# Altium PCB STM32-Nixie-v2.PcbDoc (part 3 of 3)
Units mm, origin at the board's own origin, x right, y up, seen from the top; angles counter-clockwise.
Board outline 339 x 57 mm, 2 copper layers (Top Layer, Bottom Layer); 367 components, 315 nets, 1212 pads, 270 vias.
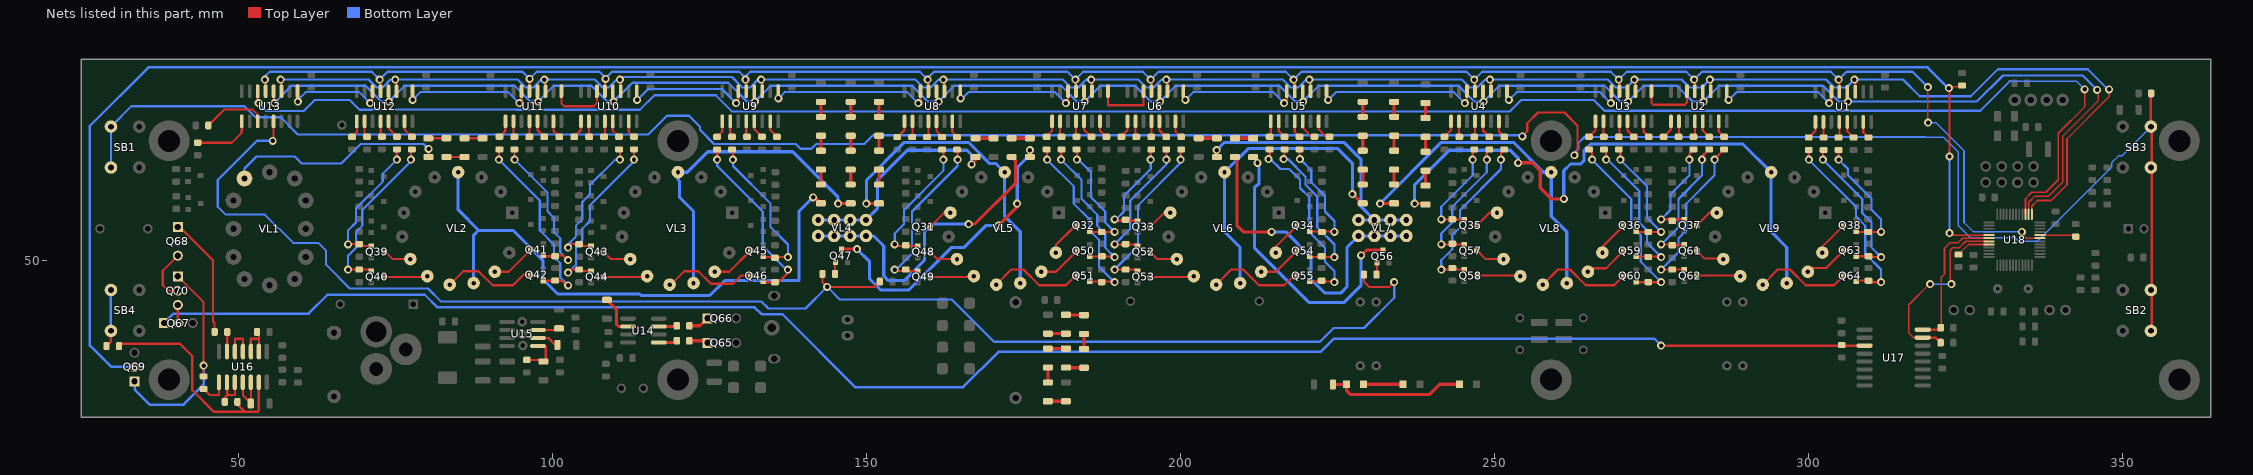
[diagram p3: the nets of this part, all layers, seen from the top]

## Via types
v1: diameter 1.27, hole 0.711, Top Layer to Bottom Layer, 270 vias

## Nets (pads, with @x,y where several pads share a name; then routed paths per layer and width w, separated by ;. In a path a pad name is that pad's centre, name@x,y a point inside that pad or via, vN(x,y) a via of type N, cw(c..) or ccw(c..) an arc to the next point about the centre after c; other vN are vias at no path point) (continued)
NetQ31_3: Q31.3 VL5.7 | length 4.1
  Top Layer w0.35: Q31.3@160.157,55.317 162.396,57.556 VL5.7@163.371,57.556
NetQ32_1: Q32.1 R70.1 R168.1 | length 19.8
  Top Layer w0.35: R70.1@183.362,67.633 183.5,67.495 v1(183.5,66) ; Q32.1@185.56,54.571 185.632,54.5 R168.1@187.452,54.5 v1(189.5,54.5)
  Bottom Layer w0.35: v1(183.5,66) 183.75,66 185.75,64 185.75,60 188,57.75 188,56 v1(189.5,54.5)
NetQ32_3: Q32.3 VL5.14 | length 5.9
  Top Layer w0.35: VL5.14@180.157,51.196 180.157,52.407 183.271,55.521 Q32.3@183.56,55.521
NetQ33_1: Q33.1 R72.1 R173.1 | length 17.4
  Top Layer w0.35: v1(189.5,56.5) 189.733,56.267 Q33.1@193.157,56.267 ; v1(195.25,66) 195.25,67.625 R72.1@195.259,67.633
  Bottom Layer w0.35: v1(189.5,56.5) 189.75,56.5 191,57.75 191,60.25 195.25,64.5 v1(195.25,66)
NetQ33_3: Q33.3 VL6.7 | length 4.1
  Top Layer w0.35: Q33.3@195.157,55.317 197.396,57.556 VL6.7@198.371,57.556
NetQ34_1: Q34.1 R74.1 R178.1 | length 19.8
  Top Layer w0.35: R74.1@218.941,67.633 218.941,66.159 v1(219,66.1) ; Q34.1@220.56,54.571 224.429,54.571 v1(224.5,54.5)
  Bottom Layer w0.35: v1@219,65.75 v1(219,66.1) 220.8,64.3 220.8,62.4 223,60.2 223,57.75 224.5,56.25 v1(224.5,54.5)
NetQ34_3: Q34.3 VL6.14 | length 5.7
  Top Layer w0.35: VL6.14@215.157,51.196 215.157,52.118 Q34.3@218.56,55.521
NetQ35_1: Q35.1 R77.1 R183.1 | length 17
  Top Layer w0.35: v1(241.5,56.5) 241.529,56.471 Q35.1@245.157,56.471 ; v1(246.5,66) 246.5,67.375 R77.1@246.759,67.633
  Bottom Layer w0.35: v1(241.5,56.5) 241.5,58.5 246.5,63.5 v1(246.5,66)
NetQ35_3: Q35.3 VL8.7 | length 4.1
  Top Layer w0.35: Q35.3@247.157,55.521 249.191,57.556 VL8.7@250.371,57.556
NetQ36_1: Q36.1 R79.1 R188.1 | length 19.9
  Top Layer w0.35: R79.1@269.759,67.633 270,67.392 v1(270,66) ; Q36.1@272.56,54.571 272.632,54.5 R188.1@274.452,54.5 v1(276.5,54.5)
  Bottom Layer w0.35: v1(270,66) 274.25,61.75 274.25,56.75 v1(276.5,54.5)
NetQ36_3: Q36.3 VL8.14 | length 5.7
  Top Layer w0.35: VL8.14@267.157,51.196 267.157,52.118 Q36.3@270.56,55.521
NetQ37_1: Q37.1 R81.1 R193.1 | length 16.9
  Top Layer w0.35: v1(276.5,56.5) 280.128,56.5 Q37.1@280.157,56.471 ; v1(281,66) 281,66.978 R81.1@281.655,67.633
  Bottom Layer w0.35: v1(276.5,56.5) 278,58 278,60.5 281,63.5 v1(281,66)
NetQ37_3: Q37.3 VL9.7 | length 4.1
  Top Layer w0.35: Q37.3@282.157,55.521 284.191,57.556 VL9.7@285.371,57.556
NetQ38_1: Q38.1 R83.1 R198.1 | length 19.8
  Top Layer w0.35: R83.1@304.741,67.533 304.75,67.525 v1(304.75,66) ; Q38.1@307.56,54.588 307.648,54.5 R198.1@309.452,54.5 v1(311.5,54.5)
  Bottom Layer w0.35: v1(304.75,66) 306.25,64.5 306.25,63.5 310,59.75 310,58 311.5,56.5 v1(311.5,54.5)
NetQ38_3: Q38.3 VL9.14 | length 5.8
  Top Layer w0.35: VL9.14@302.157,51.196 302.157,52.135 Q38.3@305.56,55.538
NetQ39_1: Q39.1 R60.1 R144.1 | length 22.2
  Top Layer w0.35: v1(67.5,52.5) 67.555,52.555 R144.1@69.265,52.555 69.542,52.278 Q39.1@71.157,52.278 ; R60.1@75.15,67.513 R60.1@75.271,67.633 ; v1(75.25,66) R60.1@75.25,67.513
  Bottom Layer w0.35: v1(67.5,52.5) 67.5,54.75 68.75,56 68.75,58.25 73,62.5 73,63.75 v1(75.25,66)
NetQ39_3: Q39.3 VL2.9 | length 4.7
  Top Layer w0.35: Q39.3@73.157,51.328 73.422,51.328 74.586,50.164 VL2.9@77.409,50.164
NetQ40_1: Q40.1 R85.1 R145.1 | length 27.1
  Top Layer w0.35: v1(67.5,48.5) R145.1@69.265,48.5 70.945,48.5 Q40.1@71.157,48.289 ; R85.1@77.4,67.383 R85.1@77.65,67.633 ; v1(77.5,66) R85.1@77.5,67.383
  Bottom Layer w0.35: v1(67.5,48.5) 67.5,50.75 68.75,52 68.75,54.5 69.75,55.5 69.75,58 77.5,65.75 v1(77.5,66)
NetQ40_3: Q40.3 VL2.10 | length 7
  Top Layer w0.35: Q40.3@73.157,47.339 79.985,47.339 VL2.10@80.098,47.452
NetQ41_1: Q41.1 R62.1 R147.1 | length 25.5
  Top Layer w0.35: R62.1@93.966,67.633 94,67.599 v1(94,66) ; Q41.1@98.56,50.715 98.642,50.633 R147.1@100.452,50.633 100.569,50.75 101.75,50.75 v1(102.5,50)
  Bottom Layer w0.35: v1(94,66) 99.25,60.75 99.25,57.75 100.25,56.75 100.25,54.5 101.25,53.5 101.25,51.25 v1(102.5,50)
NetQ41_3: Q41.3 VL2.13 | length 7.2
  Top Layer w0.35: VL2.13@90.845,48.156 93.051,48.156 Q41.3@96.56,51.665
NetQ42_1: Q42.1 R86.1 R146.1 | length 30.5
  Top Layer w0.35: v1(91.5,66) 91.5,67.547 R86.1@91.587,67.633 ; Q42.1@98.56,46.726 101.524,46.726 102.25,46 v1(102.5,46)
  Bottom Layer w0.35: v1(91.5,66) 98,59.5 98,54.75 100.25,52.5 100.25,50.5 101.25,49.5 101.25,47.25 v1(102.5,46)
NetQ42_3: Q42.3 VL2.11 | length 15.4
  Top Layer w0.35: VL2.11@83.67,46.099 85.821,48.25 88.25,48.25 90.5,46 93.75,46 95.426,47.676 Q42.3@96.56,47.676
NetQ43_1: Q43.1 R64.1 R154.1 | length 23.5
  Top Layer w0.35: v1(102.5,52) 103.055,52.555 R154.1@104.265,52.555 104.542,52.278 Q43.1@106.157,52.278 ; R64.1@110.621,67.633 110.75,67.504 v1(110.75,66)
  Bottom Layer w0.35: v1(102.5,52) 102.5,52.495 103.564,53.559 103.564,53.564 103.75,53.75 103.75,55.5 104.75,56.5 104.75,59.25 106,60.5 106,62 110,66 v1(110.75,66)
NetQ43_3: Q43.3 VL3.9 | length 4.7
  Top Layer w0.35: Q43.3@108.157,51.328 108.172,51.328 109.336,50.164 VL3.9@112.409,50.164
NetQ44_1: Q44.1 R87.1 R155.1 | length 27.9
  Top Layer w0.35: v1(102.5,48) 103,48.5 R155.1@104.265,48.5 104.476,48.289 Q44.1@106.157,48.289 ; v1(113,66) R87.1@113,67.633
  Bottom Layer w0.35: v1(102.5,48) 103.75,49.25 103.75,52.25 104.75,53.25 104.75,55 106,56.25 106,58.75 113,65.75 v1(113,66)
NetQ44_3: Q44.3 VL3.10 | length 7
  Top Layer w0.35: Q44.3@108.157,47.339 114.985,47.339 VL3.10@115.098,47.452
NetQ45_1: Q45.1 R66.1 R157.1 | length 24.8
  Top Layer w0.35: R66.1@128.612,67.633 128.75,67.495 v1(128.75,66) ; Q45.1@133.56,50.582 133.642,50.5 v1(137.5,50.5)
  Bottom Layer w0.35: v1(128.75,66) 128.75,65 134.75,59 134.75,55.25 137.5,52.5 v1(137.5,50.5)
NetQ45_3: Q45.3 VL3.13 | length 7.1
  Top Layer w0.35: VL3.13@125.845,48.156 128.184,48.156 Q45.3@131.56,51.532
NetQ46_1: Q46.1 R88.1 R156.1 | length 29.4
  Top Layer w0.35: R88.1@126.233,67.633 126.25,67.616 v1(126.25,66) ; Q46.1@133.56,46.593 133.653,46.5 136,46.5 137.5,48 v1(137.5,48.5)
  Bottom Layer w0.35: v1(126.25,66) 126.25,65 133.5,57.75 133.5,52.25 137.5,48.25 v1(137.5,48.5)
NetQ46_3: Q46.3 VL3.11 | length 15.1
  Top Layer w0.35: VL3.11@118.67,46.099 118.849,46.099 121,48.25 123.25,48.25 125.25,46.25 128.75,46.25 130.043,47.543 Q46.3@131.56,47.543
NetQ47_1: Q47.1 R99.2 | length 1.9
  Top Layer w0.35: R99.2@145,47.8 145,49.644 Q47.1@145.05,49.694
NetQ47_3: Q47.3 R89.1 | length 49.3
  Top Layer w0.5: Q47.3@146.056,51.75 v1(148.5,51.75) ; v1(171,55.5) 174,58.5 v1(174,59) 174.25,59 v1@174.125,58.875 ; v1(176,67.5) 176.005,67.495 R89.1@176.005,66.418
  Bottom Layer w0.5: v1(148.5,51.75) 150.5,49.75 150.5,47 152.25,45.25 156.75,45.25 163.5,52 165.5,52 169,55.5 v1(171,55.5) ; v1@174,58.75 174,64.75 176,66.75 v1(176,67.5)
NetQ48_1: Q48.1 R69.1 R164.1 | length 22.1
  Top Layer w0.35: v1(154.5,52.5) 154.722,52.278 Q48.1@158.157,52.278 ; R69.1@162.121,67.633 162.25,67.504 v1(162.25,66)
  Bottom Layer w0.35: v1(154.5,52.5) 154.5,54.25 156,55.75 156,58 162.25,64.25 v1(162.25,66)
NetQ48_3: Q48.3 VL5.9 | length 4.7
  Top Layer w0.35: Q48.3@160.157,51.328 161.32,50.164 VL5.9@164.409,50.164
NetQ49_1: Q49.1 R90.1 R165.1 | length 27.2
  Top Layer w0.35: v1(154.5,48.5) 154.711,48.289 Q49.1@158.157,48.289 ; v1(164.5,66) R90.1@164.5,67.633
  Bottom Layer w0.35: v1(154.5,48.5) 154.75,48.5 157.25,51 157.25,57.75 164.5,65 v1(164.5,66)
NetQ49_3: Q49.3 VL5.10 | length 7
  Top Layer w0.35: Q49.3@160.157,47.339 166.985,47.339 VL5.10@167.098,47.452
NetQ50_1: Q50.1 R71.1 R167.1 | length 24.6
  Top Layer w0.35: R71.1@180.983,67.633 181,67.616 v1(181,66) ; Q50.1@185.56,50.582 189.418,50.582 v1(189.5,50.5)
  Bottom Layer w0.35: v1(181,66) 184.25,62.75 184.25,59.75 186.75,57.25 186.75,55.5 188,54.25 188,52 v1(189.5,50.5)
NetQ50_3: Q50.3 VL5.13 | length 7.1
  Top Layer w0.35: VL5.13@177.845,48.156 180.184,48.156 Q50.3@183.56,51.532
NetQ51_1: Q51.1 R91.1 R166.1 | length 29.6
  Top Layer w0.35: R91.1@178.604,67.633 178.75,67.487 v1(178.75,66) ; Q51.1@185.56,46.593 189.407,46.593 v1(189.5,46.5)
  Bottom Layer w0.35: v1(178.75,66) 183,61.75 183,59 185.5,56.5 185.5,54.75 187,53.25 187,49 v1(189.5,46.5)
NetQ51_3: Q51.3 VL5.11 | length 15.6
  Top Layer w0.35: VL5.11@170.67,46.099 173.071,48.5 175,48.5 177.5,46 181.75,46 183.293,47.543 Q51.3@183.56,47.543
NetQ52_1: Q52.1 R73.1 R174.1 | length 22.3
  Top Layer w0.35: v1(189.5,52.5) 192.935,52.5 Q52.1@193.157,52.278 ; R73.1@197.638,67.633 197.75,67.521 v1(197.75,66)
  Bottom Layer w0.35: v1(189.5,52.5) 192,55 192,59.5 197.75,65.25 v1(197.75,66)
NetQ52_3: Q52.3 VL6.9 | length 4.7
  Top Layer w0.35: Q52.3@195.157,51.328 196.32,50.164 VL6.9@199.409,50.164
NetQ53_1: Q53.1 R92.1 R175.1 | length 27.2
  Top Layer w0.35: v1(189.5,48.5) R175.1@191.265,48.5 192.945,48.5 Q53.1@193.157,48.289 ; v1(200,66) 200.017,66.017 R92.1@200.017,67.633
  Bottom Layer w0.35: v1(189.5,48.5) 193.25,52.25 193.25,58.75 200,65.5 v1(200,66)
NetQ53_3: Q53.3 VL6.10 | length 7
  Top Layer w0.35: Q53.3@195.157,47.339 201.985,47.339 VL6.10@202.098,47.452
NetQ54_1: Q54.1 R75.1 R177.1 | length 25.2
  Top Layer w0.35: v1(216.4,66.1) 216.562,66.263 R75.1@216.562,67.633 ; Q54.1@220.56,50.582 220.642,50.5 v1(224.5,50.5)
  Bottom Layer w0.35: v1@216.1,66.1 v1(216.4,66.1) 217.1,66.1 219.9,63.3 219.9,62 221.75,60.15 221.75,55.25 224.5,52.5 v1(224.5,50.5)
NetQ54_3: Q54.3 VL6.13 | length 7.1
  Top Layer w0.35: VL6.13@212.845,48.156 215.184,48.156 Q54.3@218.56,51.532
NetQ55_1: Q55.1 R93.1 R176.1 | length 30.6
  Top Layer w0.35: v1(214,66.1) 214.066,66.1 214.183,66.217 R93.1@214.183,67.633 ; Q55.1@220.56,46.593 224.407,46.593 v1(224.5,46.5)
  Bottom Layer w0.35: v1(214,66.1) 214.3,66.1 215.9,64.5 217.3,64.5 219,62.8 219,61.5 220.5,60 220.5,54.5 223,52 223,49.75 224.5,48.25 v1(224.5,46.5)
NetQ55_3: Q55.3 VL6.11 | length 15.6
  Top Layer w0.35: VL6.11@205.67,46.099 208.071,48.5 210,48.5 212.5,46 216.5,46 218.043,47.543 Q55.3@218.56,47.543
NetQ56_1: Q56.1 R100.2 | length 1.9
  Top Layer w0.35: R100.2@231.2,47.708 231.25,47.758 Q56.1@231.25,49.6
NetQ56_3: Q56.3 R94.1 | length 44.2
  Top Layer w0.5: v1(228.75,50.75) 229.6,51.6 Q56.3@232.2,51.6
  Bottom Layer w0.5: v1(212.25,65.5) 212.5,65.25 212.5,62.25 211.75,61.5 211.75,52 220.5,43.25 226,43.25 228.75,46 v1(228.75,50.75)
NetQ57_1: Q57.1 R78.1 R184.1 | length 22
  Top Layer w0.35: v1(241.5,52.5) 241.518,52.482 Q57.1@245.157,52.482 ; v1(248.75,66) 248.75,67.245 R78.1@249.138,67.633
  Bottom Layer w0.35: v1(241.5,52.5) 241.5,54.25 243.25,56 243.25,58.5 248.75,64 v1(248.75,66)
NetQ57_3: Q57.3 VL8.9 | length 4.8
  Top Layer w0.35: Q57.3@247.157,51.532 247.218,51.532 248.586,50.164 VL8.9@251.409,50.164
NetQ58_1: Q58.1 R95.1 R185.1 | length 26.9
  Top Layer w0.35: v1(241.5,48.5) 241.507,48.493 Q58.1@245.157,48.493 ; v1(251,66) 251,67.116 R95.1@251.517,67.633
  Bottom Layer w0.35: v1(241.5,48.5) 241.5,50 243.25,51.75 243.25,54 244.5,55.25 244.5,58 251,64.5 v1(251,66)
NetQ58_3: Q58.3 VL8.10 | length 7
  Top Layer w0.35: Q58.3@247.157,47.543 254.007,47.543 VL8.10@254.098,47.452
NetQ59_1: Q59.1 R80.1 R187.1 | length 25
  Top Layer w0.35: R80.1@267.379,67.633 267.75,67.263 v1(267.75,66) ; Q59.1@272.56,50.582 276.418,50.582 v1(276.5,50.5)
  Bottom Layer w0.35: v1(267.75,66) 268,66 273,61 273,56 274.25,54.75 274.25,52.75 v1(276.5,50.5)
NetQ59_3: Q59.3 VL8.13 | length 7.1
  Top Layer w0.35: VL8.13@264.845,48.156 265.411,48.722 267.75,48.722 Q59.3@270.56,51.532
NetQ60_1: Q60.1 R96.1 R186.1 | length 29.9
  Top Layer w0.35: R96.1@265,67.633 265.5,67.133 v1(265.5,66) ; Q60.1@272.56,46.55 272.61,46.5 v1(276.5,46.5)
  Bottom Layer w0.35: v1(265.5,66) 271.75,59.75 271.75,55.5 273.25,54 273.25,49.75 v1(276.5,46.5)
NetQ60_3: Q60.3 VL8.11 | length 15.5
  Top Layer w0.35: VL8.11@257.67,46.099 260.071,48.5 262,48.5 264.5,46 269,46 270.5,47.5 Q60.3@270.56,47.5
NetQ61_1: Q61.1 R82.1 R194.1 | length 22
  Top Layer w0.35: v1(276.5,52.5) 278.144,52.5 R194.1@278.265,52.379 280.054,52.379 Q61.1@280.157,52.482 ; v1(283,66) 283,66.487 R82.1@284.146,67.633
  Bottom Layer w0.35: v1(276.5,52.5) 279.25,55.25 279.25,59.75 283,63.5 v1(283,66)
NetQ61_3: Q61.3 VL9.9 | length 4.8
  Top Layer w0.35: Q61.3@282.157,51.532 283.439,50.25 286.324,50.25 VL9.9@286.409,50.164
NetQ62_1: Q62.1 R97.1 R195.1 | length 26.9
  Top Layer w0.35: v1(276.5,48.5) R195.1@278.265,48.5 280.15,48.5 Q62.1@280.157,48.493 ; v1(285,66) 285,66.108 R97.1@286.526,67.633
  Bottom Layer w0.35: v1(276.5,48.5) 279.25,51.25 279.25,53.5 280.5,54.75 280.5,59 285,63.5 v1(285,66)
NetQ62_3: Q62.3 VL9.10 | length 7
  Top Layer w0.35: Q62.3@282.157,47.543 289.007,47.543 VL9.10@289.098,47.452
NetQ63_1: Q63.1 R84.1 R197.1 | length 24.9
  Top Layer w0.35: v1(302.25,66) 302.25,67.421 R84.1@302.362,67.533 ; Q63.1@307.56,50.599 307.582,50.621 R197.1@309.5,50.621 309.621,50.5 v1(311.5,50.5)
  Bottom Layer w0.35: v1(302.25,66) 308.5,59.75 308.5,57.5 310,56 310,52 v1(311.5,50.5)
NetQ63_3: Q63.3 VL9.13 | length 7.1
  Top Layer w0.35: VL9.13@299.845,48.156 300.439,48.75 302.761,48.75 Q63.3@305.56,51.549
NetQ64_1: Q64.1 R98.1 R196.1 | length 29.9
  Top Layer w0.35: R98.1@299.983,67.533 300,67.516 v1(300,66) ; Q64.1@307.56,46.61 307.692,46.741 R196.1@309.5,46.741 309.741,46.5 v1(311.5,46.5)
  Bottom Layer w0.35: v1(300,66) 307.5,58.5 307.5,57 309,55.5 309,51 311.5,48.5 v1(311.5,46.5)
NetQ64_3: Q64.3 VL9.11 | length 15.6
  Top Layer w0.35: VL9.11@292.67,46.099 295.071,48.5 297,48.5 299.5,46 304.001,46 Q64.3@305.56,47.56
NetQ65_1: Q65.1 R103.1 | length 3
  Top Layer w0.5: R103.1@121.817,37.172 124.366,37.172 Q65.1@124.703,36.835
NetQ66_1: Q66.1 R102.2 | length 3.4
  Top Layer w0.5: R102.2@121.817,39.551 123.505,39.551 Q66.1@124.703,40.75
NetQ67_1: Q67.1 R117.1 U17.3 | length 282.5
  Top Layer w0.4: v1@276.295,36.405 v1(276.5,36.405) U17.3@308.875,36.405
  Bottom Layer w0.4: Q67.1@38.22,39.991 39.729,41.5 61.2,41.5 64.2,44.5 79.7,44.5 81.7,42.5 132.2,42.5 133.3,41.4 136.6,41.4 148.2,29.8 165.4,29.8 171,35.4 222.3,35.4 224.4,37.5 275.405,37.5 v1(276.5,36.405)
NetQ67_2: Q67.2 Q70.3 | length 2.9
  Top Layer w0.35: Q70.3@40.391,42.866 40.391,40.1 Q67.2@40.5,39.991
NetQ68_1: Q68.1 R122.1 | length 19.3
  Top Layer w0.35: Q68.1@40.391,55.28 40.72,55.28 46,50 46,40.25 46.25,40 R122.1@46.25,38.58
NetQ68_3: Q68.3 Q70.2 | length 8.5
  Top Layer w0.35: Q70.2@40.391,45.146 38.854,45.146 38,46 38,48.329 Q68.3@40.391,50.72
NetQ69_1: Q69.1 Q70.1 R121.1 | length 35.3
  Top Layer w0.35: Q70.1@40.391,47.426 44.5,43.317 v1(44.5,33.2) 44.5,31.517 R121.1@44.483,31.5
  Bottom Layer w0.4: Q69.1@33.5,30.72 33.5,29.4 35.9,27 41.3,27 44.5,30.2 v1(44.5,33.2)
NetQ69_2: Q69.2 R126.1 U18.41 | length 376.7
  Top Layer w0.25: v1(322.3,77.4) v1@322.4,77.6 ; v1(322.4,54.3) 322.7,54 U18.41@328.7,54 ; v1(322.4,66.5) v1@322.4,77.6 ; R126.1@324.6,77.6 v1@322.4,77.6
  Bottom Layer w0.25: v1(322.4,54.3) v1(322.4,66.5)
  Bottom Layer w0.4: Q69.2@33.5,33 29.8,33 26.4,36.4 26.4,71.4 35.7,80.7 318.9,80.7 v1@322.25,77.35
NetR1_1: R1.1 R8.2 | length 2.9
  Top Layer w0.5: R8.2@167.367,69.418 R1.1@170.246,69.418
NetR2_1: R2.1 R13.2 | length 2.9
  Top Layer w0.5: R2.1@202.9,69.418 R13.2@205.779,69.418
NetR3_1: R3.1 R18.1 | length 2.9
  Top Layer w0.35: R3.1@80.279,69.418 R18.1@83.159,69.418
NetR3_2: R3.2 VL1.1 | length 35.2
  Top Layer w0.35: R3.2@80.279,66.418 80.3,66.439 v1(80.3,67.7)
  Bottom Layer w0.35: VL1.1@50.999,63.002 50.999,64.599 52.9,66.5 59,66.5 60.1,65.4 66.4,65.4 69.5,68.5 79.5,68.5 v1(80.3,67.7) v1@80.3,67.55
NetR4_1: R4.1 VL2.4 VL2.12 | length 93.2
  Top Layer w0.5: v1(141.5,60) 141.797,60 R4.1@142.75,59.047
  Bottom Layer w0.5: VL2.4@85,64 85,58 88.25,54.75 ; VL2.12@87.481,46.349 87.481,53.981 88.25,54.75 ; v1(141.5,60) 139.25,57.75 139.25,46.75 127.45,46.75 125.079,44.379 114.121,44.379 113.9,44.6 100.9,44.6 98.5,47 98.5,50 93.75,54.75 88.25,54.75
NetR4_2: R4.2 R5.2 | length 2.4
  Top Layer w0.5: R4.2@142.75,62.047 R5.2@142.75,64.427
NetR5_1: R5.1 R20.1 | length 2.4
  Top Layer w0.5: R5.1@142.75,67.427 R20.1@142.75,69.806
NetR6_1: R6.1 VL3.4 VL3.12 | length 51.5
  Top Layer w0.5: v1(145.5,59) 147.453,59 R6.1@147.5,59.047
  Bottom Layer w0.5: VL3.12@122.481,46.349 122.481,57.769 120.254,59.996 120.254,62.562 120,62.816 VL3.4@120,64 121.5,64 124.75,67.25 138.25,67.25 145.5,60 v1(145.5,59)
NetR6_2: R6.2 R7.2 | length 2.4
  Top Layer w0.5: R6.2@147.5,62.047 R7.2@147.5,64.427
NetR7_1: R7.1 R22.1 | length 2.4
  Top Layer w0.5: R7.1@147.5,67.427 R22.1@147.5,69.806
NetR8_1: R8.1 VL4.1 VL4.3 VL4.5 VL4.7 | length 34.9
  Top Layer w0.5: v1(166.75,65.25) 167.367,65.867 R8.1@167.367,66.418
  Bottom Layer w0.5: VL4.7@142.317,56.397 VL4.5@144.857,56.397 VL4.3@147.397,56.397 VL4.1@149.937,56.397 151.75,58.21 151.75,62.75 156.5,67.5 166,67.5 166.75,66.75 v1(166.75,65.25)
NetR9_1: R9.1 VL5.4 VL5.12 | length 50.9
  Top Layer w0.5: v1(150,59) 151.953,59 R9.1@152,59.047
  Bottom Layer w0.5: v1(150,59) 150,62.75 156,68.75 166.25,68.75 169.625,65.375 170.625,65.375 VL5.4@172,64 172,57 174.481,54.519 VL5.12@174.481,46.349
NetR9_2: R9.2 R10.2 | length 2.4
  Top Layer w0.5: R9.2@152,62.047 R10.2@152,64.427
NetR10_1: R10.1 R24.1 | length 2.4
  Top Layer w0.5: R10.1@152,67.427 R24.1@152,69.806
NetR11_1: R11.1 VL6.4 VL6.12 | length 48.7
  Top Layer w0.5: v1(227.351,60.5) 227.453,60.5 228.953,59 R11.1@229,59.047
  Bottom Layer w0.5: VL6.12@209.481,46.349 209.481,52.019 207,54.5 VL6.4@207,64 210.75,67.75 225,67.75 227.351,65.399 v1(227.351,60.5)
NetR11_2: R11.2 R12.2 | length 2.4
  Top Layer w0.5: R11.2@229,62.047 R12.2@229,64.427
NetR12_1: R12.1 R26.1 | length 2.4
  Top Layer w0.5: R12.1@229,67.427 R26.1@229,69.806
NetR13_1: R13.1 VL7.1 VL7.3 VL7.5 VL7.7 | length 43.8
  Top Layer w0.5: v1(205.75,67.5) 205.75,66.448 R13.1@205.779,66.418
  Bottom Layer w0.5: v1(205.75,67.5) 207,68.75 226,68.75 228.75,66 228.75,58.504 VL7.5@230.857,56.397 ; VL7.7@228.317,56.397 VL7.5@230.857,56.397 ; VL7.1@235.937,56.397 VL7.3@233.397,56.397 VL7.5@230.857,56.397
NetR14_1: R14.1 VL8.4 VL8.12 | length 54.2
  Top Layer w0.5: v1(231.75,59) 233.953,59 R14.1@234,59.047
  Bottom Layer w0.5: v1(231.75,59) 241.5,68.75 253,68.75 257.75,64 VL8.4@259,64 259,57 261.481,54.519 VL8.12@261.481,46.349
NetR14_2: R14.2 R15.2 | length 2.4
  Top Layer w0.5: R14.2@234,62.047 R15.2@234,64.427
NetR15_1: R15.1 R28.1 | length 2.4
  Top Layer w0.5: R15.1@234,67.427 R28.1@234,69.806
NetR16_1: R16.1 VL9.4 VL9.12 | length 96.7
  Top Layer w0.5: v1(237.25,59) 238.871,59 R16.1@239,58.871 ; v1(253.75,65.5) 256,65.5 257.25,64.25 257.25,61.5 259,59.75 260.5,59.75 v1@260.75,60
  Bottom Layer w0.5: v1(237.25,59) 237.25,62 242.75,67.5 252.5,67.5 253.75,66.25 v1(253.75,65.5) ; v1(261,59.75) 261,64.25 262.063,65.313 263.713,65.313 264.2,65.8 264.2,67.45 265.25,68.5 289.5,68.5 VL9.4@294,64 294,54.5 296.481,52.019 VL9.12@296.481,46.349
NetR16_2: R16.2 R17.2 | length 2.4
  Top Layer w0.5: R16.2@239,61.871 R17.2@239,64.25
NetR17_1: R17.1 R30.1 | length 2.4
  Top Layer w0.5: R17.1@239,67.25 R30.1@239,69.629
NetR18_2: R18.2 R19.2 | length 2.9
  Top Layer w0.35: R18.2@83.159,66.418 R19.2@86.038,66.418
NetR19_1: R19.1 R34.1 | length 2.9
  Top Layer w0.35: R19.1@86.038,69.418 R34.1@88.917,69.418
NetR20_2: R20.2 R21.2 | length 2.4
  Top Layer w0.5: R20.2@142.75,72.806 R21.2@142.75,75.185
NetR22_2: R22.2 R23.2 | length 2.4
  Top Layer w0.5: R22.2@147.5,72.806 R23.2@147.5,75.25
NetR24_2: R24.2 R25.2 | length 2.4
  Top Layer w0.5: R24.2@152,72.806 R25.2@152,75.185
NetR26_2: R26.2 R27.2 | length 2.4
  Top Layer w0.5: R26.2@229,72.806 R27.2@229,75.185
NetR28_2: R28.2 R29.2 | length 2.4
  Top Layer w0.5: R28.2@234,72.806 R29.2@234,75.185
NetR30_2: R30.2 R31.2 | length 2.4
  Top Layer w0.5: R30.2@239,72.629 R31.2@239,75.009
NetR32_1: R32.1 U13.1 | length 9.5
  Top Layer w0.35: R32.1@43.554,68.706 48.956,68.706 50.555,70.305 U13.1@50.555,72.1
NetR33_2: R33.2 U13.3 | length 10.3
  Top Layer w0.35: R33.2@45.25,71.442 47.808,74 52.25,74 53.095,73.155 U13.3@53.095,72.1
NetR35_2: R35.2 U12.1 | length 2.8
  Top Layer w0.35: R35.2@68.133,69.633 68.9,70.4 U12.1@68.9,72.1
NetR36_2: R36.2 U12.2 | length 3.1
  Top Layer w0.35: U12.2@70.237,72.438 70.1,72.3 70.1,70.145 R36.2@70.612,69.633
NetR37_2: R37.2 U11.7 | length 2.9
  Top Layer w0.35: U11.7@100.175,72.1 100.175,70.562 R37.2@101.104,69.633
NetR38_2: R38.2 U11.5 | length 2.9
  Top Layer w0.35: U11.5@97.635,72.1 97.635,70.723 R38.2@98.724,69.633
NetR39_2: R39.2 U10.1 | length 2.9
  Top Layer w0.35: R39.2@103.483,69.633 104.555,70.705 U10.1@104.555,72.1
NetR40_2: R40.2 U10.2 | length 2.5
  Top Layer w0.35: U10.2@105.825,72.1 105.825,69.67 R40.2@105.862,69.633
NetR41_2: R41.2 U9.7 | length 2.9
  Top Layer w0.35: U9.7@134.675,72.1 134.675,70.708 R41.2@135.75,69.633
NetR42_2: R42.2 U9.5 | length 3
  Top Layer w0.35: U9.5@132.135,72.1 132.135,70.869 R42.2@133.371,69.633
NetR43_2: R43.2 U8.1 | length 2.9
  Top Layer w0.35: R43.2@154.983,69.633 156.055,70.705 U8.1@156.055,72.1
NetR44_2: R44.2 U8.2 | length 2.5
  Top Layer w0.35: U8.2@157.325,72.1 157.325,69.67 R44.2@157.362,69.633
NetR45_2: R45.2 U7.7 | length 2.9
  Top Layer w0.35: U7.7@187.175,72.1 187.175,70.579 R45.2@188.121,69.633
NetR46_2: R46.2 U7.5 | length 2.9
  Top Layer w0.35: U7.5@184.635,72.1 184.635,70.74 R46.2@185.741,69.633
NetR47_2: R47.2 U6.1 | length 2.9
  Top Layer w0.35: R47.2@190.5,69.633 191.555,70.688 U6.1@191.555,72.1
NetR48_2: R48.2 U6.2 | length 2.5
  Top Layer w0.35: U6.2@192.825,72.1 192.825,69.688 R48.2@192.879,69.633
NetR49_2: R49.2 U5.7 | length 3.5
  Top Layer w0.35: U5.7@221.975,72.1 221.975,70.825 223.167,69.633 R49.2@223.7,69.633
NetR50_2: R50.2 U5.5 | length 3.5
  Top Layer w0.35: U5.5@219.435,72.1 219.435,71.065 220.867,69.633 R50.2@221.321,69.633
NetR51_2: R51.2 U4.1 | length 2.9
  Top Layer w0.35: R51.2@242,69.633 243.055,70.688 U4.1@243.055,72.1
NetR52_2: R52.2 U4.2 | length 2.5
  Top Layer w0.35: U4.2@244.325,72.1 244.325,69.688 R52.2@244.379,69.633
NetR53_2: R53.2 U3.7 | length 2.8
  Top Layer w0.35: U3.7@273.675,72.1 273.675,70.475 R53.2@274.517,69.633
NetR54_2: R54.2 U3.5 | length 2.9
  Top Layer w0.35: U3.5@271.135,72.1 271.135,70.636 R54.2@272.138,69.633
NetR55_2: R55.2 U2.1 | length 2.9
  Top Layer w0.35: R55.2@276.896,69.633 278.055,70.792 U2.1@278.055,72.1
NetR56_2: R56.2 U2.2 | length 2.5
  Top Layer w0.35: R56.2@279.276,69.633 279.325,69.683 U2.2@279.325,72.1
NetR57_2: R57.2 U1.7 | length 2.8
  Top Layer w0.35: U1.7@308.675,72 308.675,70.358 R57.2@309.5,69.533
NetR58_2: R58.2 U1.5 | length 2.9
  Top Layer w0.35: U1.5@306.135,72 306.135,70.519 R58.2@307.121,69.533
NetR59_2: R59.2 U12.4 | length 2.5
  Top Layer w0.35: U12.4@72.7,72.1 72.7,69.825 R59.2@72.891,69.633
NetR60_2: R60.2 U12.5 | length 3
  Top Layer w0.35: U12.5@74,72.1 74,70.904 R60.2@75.271,69.633
NetR61_2: R61.2 U11.4 | length 2.5
  Top Layer w0.35: R61.2@96.345,69.633 96.365,69.653 U11.4@96.365,72.1
NetR62_2: R62.2 U11.2 | length 2.5
  Top Layer w0.35: U11.2@93.825,72.1 93.825,69.774 R62.2@93.966,69.633
NetR63_2: R63.2 U10.4 | length 2.5
  Top Layer w0.35: R63.2@108.241,69.633 108.365,69.757 U10.4@108.365,72.1
NetR64_2: R64.2 U10.5 | length 2.9
  Top Layer w0.35: U10.5@109.635,72.1 109.635,70.619 R64.2@110.621,69.633
NetR65_2: R65.2 U9.4 | length 2.5
  Top Layer w0.35: U9.4@130.865,72.1 130.865,69.76 R65.2@130.991,69.633
NetR66_2: R66.2 U9.2 | length 2.6
  Top Layer w0.35: U9.2@128.325,72.1 128.325,69.92 R66.2@128.612,69.633
NetR67_1: R67.1 R89.2 | length 2.9
  Top Layer w0.5: R67.1@173.125,69.418 R89.2@176.005,69.418
NetR67_2: R67.2 VL4.2 VL4.4 VL4.6 VL4.8 | length 50.6
  Top Layer w0.5: v1(166.25,55.75) 167.25,55.75 173.75,62.25 173.75,65.794 R67.2@173.125,66.418
  Bottom Layer w0.5: VL4.8@142.317,53.857 VL4.6@144.857,53.857 VL4.4@147.397,53.857 VL4.2@149.937,53.857 151.143,53.857 152.75,52.25 152.75,47.5 153.5,46.75 156,46.75 159.25,50 159.25,54.5 160.5,55.75 v1(166.25,55.75)
NetR68_2: R68.2 U8.4 | length 2.5
  Top Layer w0.35: R68.2@159.741,69.633 159.865,69.757 U8.4@159.865,72.1
NetR69_2: R69.2 U8.5 | length 2.9
  Top Layer w0.35: U8.5@161.135,72.1 161.135,70.619 R69.2@162.121,69.633
NetR70_2: R70.2 U7.4 | length 2.5
  Top Layer w0.35: R70.2@183.362,69.633 183.365,69.636 U7.4@183.365,72.1
NetR71_2: R71.2 U7.2 | length 2.5
  Top Layer w0.35: U7.2@180.825,72.1 180.825,69.791 R71.2@180.983,69.633
NetR72_2: R72.2 U6.4 | length 2.5
  Top Layer w0.35: R72.2@195.259,69.633 195.365,69.74 U6.4@195.365,72.1
NetR73_2: R73.2 U6.5 | length 2.9
  Top Layer w0.35: U6.5@196.635,72.1 196.635,70.636 R73.2@197.638,69.633
NetR74_2: R74.2 U5.4 | length 2.8
  Top Layer w0.35: U5.4@218.165,72.1 218.165,70.41 R74.2@218.941,69.633
NetR75_2: R75.2 U5.2 | length 2.9
  Top Layer w0.35: U5.2@215.625,72.1 215.625,70.57 R75.2@216.562,69.633
NetR76_1: R76.1 R94.2 | length 2.9
  Top Layer w0.5: R76.1@208.674,69.418 R94.2@211.554,69.418
NetR76_2: R76.2 VL7.2 VL7.4 VL7.6 VL7.8 | length 52
  Top Layer w0.5: R76.2@208.674,66.418 208.674,66.326 209,66 209,55.5 210,54.5 v1(214.5,54.5)
  Bottom Layer w0.5: v1(214.5,54.5) 216.75,54.5 220.75,50.5 220.75,47 223,44.75 225.5,44.75 226.5,45.75 226.5,52.04 VL7.8@228.317,53.857 VL7.6@230.857,53.857 VL7.4@233.397,53.857 VL7.2@235.937,53.857
NetR77_2: R77.2 U4.4 | length 2.5
  Top Layer w0.35: R77.2@246.759,69.633 246.865,69.74 U4.4@246.865,72.1
NetR78_2: R78.2 U4.5 | length 2.9
  Top Layer w0.35: U4.5@248.135,72.1 248.135,70.636 R78.2@249.138,69.633
NetR79_2: R79.2 U3.4 | length 2.5
  Top Layer w0.35: R79.2@269.759,69.633 269.865,69.74 U3.4@269.865,72.1
NetR80_2: R80.2 U3.2 | length 2.5
  Top Layer w0.35: U3.2@267.325,72.1 267.325,69.688 R80.2@267.379,69.633
NetR81_2: R81.2 U2.4 | length 2.6
  Top Layer w0.35: R81.2@281.655,69.633 281.865,69.843 U2.4@281.865,72.1
NetR82_2: R82.2 U2.5 | length 2.9
  Top Layer w0.35: U2.5@283.135,72.1 283.135,70.645 R82.2@284.146,69.633
NetR83_2: R83.2 U1.4 | length 2.5
  Top Layer w0.35: R83.2@304.741,69.533 304.865,69.657 U1.4@304.865,72
NetR84_2: R84.2 U1.2 | length 2.4
  Top Layer w0.35: R84.2@302.325,69.57 U1.2@302.325,72
NetR85_2: R85.2 U12.7 | length 2.9
  Top Layer w0.35: U12.7@76.5,72.1 76.5,70.783 R85.2@77.65,69.633
NetR86_2: R86.2 U11.1 | length 2.9
  Top Layer w0.35: R86.2@91.587,69.633 92.5,70.547 92.5,72.045 U11.1@92.555,72.1
NetR87_2: R87.2 U10.7 | length 2.8
  Top Layer w0.35: U10.7@112.175,72.1 112.175,70.458 R87.2@113,69.633
NetR88_2: R88.2 U9.1 | length 2.8
  Top Layer w0.35: R88.2@126.233,69.633 127.055,70.455 U9.1@127.055,72.1
NetR90_2: R90.2 U8.7 | length 2.8
  Top Layer w0.35: U8.7@163.675,72.1 163.675,70.458 R90.2@164.5,69.633
NetR91_2: R91.2 U7.1 | length 2.9
  Top Layer w0.35: R91.2@178.604,69.633 179.555,70.585 U7.1@179.555,72.1
NetR92_2: R92.2 U6.7 | length 2.8
  Top Layer w0.35: U6.7@199.175,72.1 199.175,70.475 R92.2@200.017,69.633
NetR93_2: R93.2 U5.1 | length 2.5
  Top Layer w0.35: R93.2@214.183,69.633 214.355,69.805 U5.1@214.355,72.1
NetR95_2: R95.2 U4.7 | length 2.8
  Top Layer w0.35: U4.7@250.675,72.1 250.675,70.475 R95.2@251.517,69.633
NetR96_2: R96.2 U3.1 | length 2.9
  Top Layer w0.35: R96.2@265,69.633 266.055,70.688 U3.1@266.055,72.1
NetR97_2: R97.2 U2.7 | length 2.8
  Top Layer w0.35: U2.7@285.675,72.1 285.675,70.484 R97.2@286.526,69.633
NetR98_2: R98.2 U1.1 | length 2.9
  Top Layer w0.35: R98.2@299.983,69.533 301.055,70.605 U1.1@301.055,72
NetR99_1: R99.1 R100.1 R140.1 U13.5 | length 242.2
  Top Layer w0.35: v1(55.5,69) 55.635,69.135 U13.5@55.635,72.1 ; R99.1@143,47.802 143,46.5 v1(143.75,45.75) 151.286,45.75 R140.1@152.136,46.6 ; R100.1@229.2,47.708 229.2,46.55 230,45.75 233.25,45.75 v1(234,46.5)
  Bottom Layer w0.35: v1(55.5,69) 53,69 46.75,62.75 46.75,58.5 48,57.25 54.25,57.25 58.75,52.75 62.75,52.75 64,51.5 64,49.25 67.75,45.5 80.2,45.5 82.3,43.4 133.3,43.4 134.4,42.3 140.3,42.3 v1(143.75,45.75) 145.775,43.725 163.575,43.725 170.3,37 222.2,37 224.4,39.2 229.2,39.2 234,44 v1(234,46.5)
NetR101_2: R101.2 U14.2 | length 6.5
  Top Layer w0.5: R101.2@108.683,43.681 110.2,42.164 110.2,39.8 110.564,39.436 U14.2@112.05,39.436
NetR102_1: R102.1 U14.7 | length 2.9
  Top Layer w0.5: U14.7@116.95,39.436 119.702,39.436 R102.1@119.817,39.551
NetR103_2: R103.2 U14.5 | length 3
  Top Layer w0.5: U14.5@116.95,36.896 119.541,36.896 R103.2@119.817,37.172
NetR104_1: R104.1 R105.2 | length 2.9
  Top Layer w0.5: R104.1@178.88,38.301 R105.2@181.76,38.301
NetR105_1: R105.1 R106.2 | length 2.9
  Top Layer w0.5: R105.1@181.76,41.301 184.588,41.301 R106.2@184.639,41.25
NetR106_1: R106.1 R107.2 | length 2.4
  Top Layer w0.5: R107.2@184.639,35.871 R106.1@184.639,38.25
NetR107_1: R107.1 R108.2 | length 2.9
  Top Layer w0.5: R108.2@181.76,32.922 181.811,32.871 R107.1@184.639,32.871
NetR108_1: R108.1 R109.2 | length 2.9
  Top Layer w0.5: R109.2@178.88,35.922 R108.1@181.76,35.922
NetR109_1: R109.1 R110.2 | length 2.4
  Top Layer w0.5: R110.2@178.88,30.543 R109.1@178.88,32.922
NetR110_1: R110.1 R111.2 | length 2.9
  Top Layer w0.5: R110.1@178.88,27.543 R111.2@181.76,27.543
NetR112_2: R112.2 U15.7 | length 3.5
  Top Layer w0.35: U15.7@97.7,38.885 100.81,38.885 R112.2@101.067,39.142
NetR113_2: R113.2 U15.6 | length 3.6
  Top Layer w0.35: U15.6@97.7,37.615 99.385,37.615 100.487,36.513 R113.2@100.817,36.513
NetR114_2: R114.2 R115.2 U15.5 | length 6.6
  Top Layer w0.35: R114.2@95.942,34.133 98.321,34.133 R115.2@98.571,33.883 98.955,34.267 98.955,36.345 U15.5@97.7,36.345
NetR116_1: R116.1 VD8.1 VD10.1 | length 22.1
  Top Layer w0.5: R116.1@224.25,30.222 226.372,30.222 VD8.1@226.4,30.25 226.4,29.3 227.1,28.6 239.6,28.6 241.25,30.25 VD10.1@244.4,30.25
NetR118_1: R118.1 U16.9 U16.10 | length 7
  Top Layer w0.35: U16.9@48.21,30.564 48.27,30.504 48.27,28.52 49.48,28.52 U16.10@49.48,30.564
  Top Layer w0.4: R118.1@47.871,27 47.871,28.121 48.27,28.52
NetR118_2: R118.2 R119.1 U16.13 | length 36.2
  Top Layer w0.4: R119.1@31.033,36.332 31.402,36.7 40.708,36.7 42.704,34.704 42.704,29.296 46.1,25.9 50.971,25.9 ; R118.2@49.871,27 50.971,25.9 ; U16.13@53.29,30.564 53.29,26.09 53.1,25.9 50.971,25.9
NetR119_2: R119.2 SB4.1 | length 9.2
  Top Layer w0.4: R119.2@29.033,36.332 29.75,37.048 SB4.1@29.75,38.75
  Bottom Layer w0.4: SB4.1@29.75,38.75 SB4.1@29.75,45.25
NetR120_1: R120.1 U16.11 U16.12 | length 7.3
  Top Layer w0.35: U16.11@50.75,30.564 50.75,28.5 52,27.25 R120.1@52,27.197 52.02,27.217 U16.12@52.02,30.564
NetR121_2: R121.2 U16.8 | length 4.8
  Top Layer w0.35: R121.2@44.483,29.5 45.423,28.56 46.94,28.56 U16.8@46.94,30.564
NetR122_2: R122.2 U16.6 | length 3.1
  Top Layer w0.35: U16.6@48.21,35.464 48.25,35.504 R122.2@48.25,38.58
NetR123_1: R123.1 U16.2 U16.3 | length 6.6
  Top Layer w0.35: U16.3@52.02,35.464 52,35.484 52,37.5 53.29,37.5 ; R123.1@53,38.58 53.29,38.29 53.29,37.5 ; U16.2@53.29,35.464 53.29,37.5
NetR124_1: R124.1 U17.15 U18.43 | length 30.7
  Top Layer w0.25: U17.15@318.125,37.675 316.625,37.675 315.9,38.4 315.9,42.9 319.2,46.2 v1(319.3,46.2) ; v1@322.5,46.1 322.5,51.6 322.9,52 324,52 325,53 U18.43@328.7,53
  Top Layer w0.4: U17.15@318.125,37.675 320.187,37.675 R124.1@320.992,36.871
  Bottom Layer w0.25: v1(319.3,46.2) v1(322.7,46.2)
NetR125_1: R125.1 U17.16 U18.42 | length 23.7
  Top Layer w0.25: R125.1@321,39.25 321.1,39.35 321.1,47.3 321.6,47.8 321.6,51.9 322.5,52.8 323.8,52.8 324.5,53.5 U18.42@328.7,53.5
  Top Layer w0.4: U17.16@318.125,38.945 320.695,38.945 R125.1@321,39.25
NetR127_1: R127.1 U18.44 | length 5.5
  Top Layer w0.25: R127.1@323.829,50.9 325.429,52.5 U18.44@328.7,52.5
NetR133_1: R133.1 U18.20 | length 5.8
  Top Layer w0.25: U18.20@336.8,54 342.25,54 R133.1@342.5,53.75
NetR134_2: R134.2 SB1.1 SB2.1 SB3.1 | length 409.3
  Top Layer w0.35: v1(254.4,69.7) 255.2,70.5 255.2,71.8 256.9,73.5 261.1,73.5 263.186,71.414 263.186,67.186 v1(262.7,66.7)
  Top Layer w0.4: SB2.1@354.463,38.75 354.565,38.75 354.565,71.148 SB3.1@354.463,71.25 R134.2@354.463,76.51
  Bottom Layer w0.25: 318.5,69.6 321.4,69.6 323.8,67.2 323.8,55.5 325.7,53.6 332.8,53.6 333.4,53 336.4,53 348.2,64.8 348.2,65.5 349.3,66.6 349.813,66.6 SB3.1@354.463,71.25
  Bottom Layer w0.35: SB1.1@29.75,64.75 SB1.1@29.75,71.25 33,74.5 51,74.5 52.75,72.75 56.75,72.75 59.5,70 115.25,70 118.25,73 121.75,73 123.5,71.25 123.5,70.75 125.75,68.5 138.75,68.5 139.5,67.75 141.25,67.75 142,68.5 149.65,68.5 151.05,69.9 254.2,69.9 v1(254.4,69.7) ; v1(262.7,66.7) 262.7,67.1 263.3,67.7 263.3,68.6 264.3,69.6 318.5,69.6
NetU1_11: U1.11 U2.11 U3.11 U4.11 U5.11 U6.11 U7.11 U8.11 U9.11 U10.11 U11.11 U12.11 U13.11 U18.25 | length 359.1
  Top Layer w0.25: U18.25@335.5,57.3 335.5,58.6 336.4,59.5 338.6,59.5 341.1,62 341.1,69.3 347.8,76 v1(347.8,77.2)
  Top Layer w0.35: U13.11@56.905,76.9 v1@56.905,78.595 ; v1(75,78.75) 75.205,78.545 U12.11@75.205,76.9 ; v1(98.75,78.75) 98.905,78.595 U11.11@98.905,76.9 ; v1(110.75,78.75) 110.905,78.595 U10.11@110.905,76.9 ; v1(133.25,78.75) 133.405,78.595 U9.11@133.405,76.9 ; v1(162.25,78.75) 162.405,78.595 U8.11@162.405,76.9 ; v1(185.75,78.75) 185.905,78.595 U7.11@185.905,76.9 ; v1(197.75,78.75) 197.905,78.595 U6.11@197.905,76.9 ; v1(220.5,78.75) 220.705,78.545 U5.11@220.705,76.9 ; v1(249.25,78.75) 249.405,78.595 U4.11@249.405,76.9 ; v1(272.25,78.75) 272.405,78.595 U3.11@272.405,76.9 ; v1(284.25,78.75) 284.405,78.595 U2.11@284.405,76.9 ; v1(307.25,78.75) 307.405,78.595 U1.11@307.405,76.8
  Bottom Layer w0.35: v1(56.75,78.75) 70.75,78.75 72,77.5 73,77.5 74.25,78.75 v1(75,78.75) 94.5,78.75 95.75,77.5 97,77.5 98.25,78.75 v1(98.75,78.75) 106.75,78.75 108,77.5 109,77.5 110.25,78.75 v1(110.75,78.75) 111.15,79.15 128.6,79.15 130.25,77.5 131.5,77.5 132.75,78.75 v1(133.25,78.75) 157.75,78.75 159,77.5 160.25,77.5 161.5,78.75 181.25,78.75 182.5,77.5 183.75,77.5 185,78.75 v1(185.75,78.75) 193.25,78.75 194.5,77.5 195.75,77.5 197,78.75 v1(197.75,78.75) 216.25,78.75 217.5,77.5 218.75,77.5 220,78.75 v1(220.5,78.75) 244.75,78.75 246,77.5 247.25,77.5 248.5,78.75 v1(249.25,78.75) 268,78.75 269.25,77.5 271,77.5 v1(272.25,78.75) 279.75,78.75 281,77.5 283,77.5 v1(284.25,78.75) 302.75,78.75 304,77.5 306,77.5 v1(307.25,78.75) 315,78.75 317.65,76.1 325.8,76.1 330.1,80.4 344.4,80.4 347.6,77.2 v1(347.8,77.2)
NetU1_12: U1.12 U2.12 U3.12 U4.12 U5.12 U6.12 U7.12 U8.12 U9.12 U10.12 U11.12 U12.12 U13.12 U18.26 | length 345.1
  Top Layer w0.25: U18.26@335,57.3 335,59.2 336,60.2 338.2,60.2 340.4,62.4 340.4,69.7 346.1,75.4 346.1,76.4
  Top Layer w0.35: U13.12@55.635,76.9 55.635,75.115 v1(55.75,75)
  Bottom Layer w0.35: v1(55.75,75) 58.5,77.75 70.25,77.75 72.75,75.25 v1(74,75.25) 76.5,77.75 94,77.75 96.5,75.25 v1(97.75,75.25) 100.25,77.75 106.25,77.75 108.75,75.25 v1(109.75,75.25) 112.75,78.25 128,78.25 131,75.25 v1(132.25,75.25) 134.75,77.75 157.25,77.75 159.75,75.25 v1(161.5,75.25) 164,77.75 181,77.75 183.5,75.25 v1(184.75,75.25) 187.25,77.75 192.75,77.75 195.25,75.25 v1(196.75,75.25) 199.25,77.75 215.75,77.75 218.25,75.25 v1(219.5,75.25) 222,77.75 244.25,77.75 246.75,75.25 v1(248.25,75.25) 250.75,77.75 267.5,77.75 270,75.25 v1(271.25,75.25) 273.75,77.75 279,77.75 281.5,75.25 v1(283.25,75.25) 285.75,77.75 302.25,77.75 304.75,75.25 v1(306.25,75.25) 326.75,75.25 330.9,79.4 343.6,79.4 v1(345.9,77.1)
NetU1_13: U1.13 U2.13 U3.13 U4.13 U5.13 U6.13 U7.13 U8.13 U9.13 U10.13 U11.13 U12.13 U13.13 U18.19 | length 341.9
  Top Layer w0.25: v1(318.95,77.55) 318.95,71.95 v1(319,71.9) ; v1(333.9,54.5) 333.9,54.2 334.6,53.5 U18.19@336.8,53.5
  Top Layer w0.35: U13.13@54.365,76.9 v1@54.365,78.635 ; v1(72.5,78.75) 72.665,78.585 U12.13@72.665,76.9 ; U11.13@96.365,76.9 96.365,78.865 v1(96.375,78.875) ; U10.13@108.365,76.9 108.365,78.74 v1(108.5,78.875) ; v1(130.75,78.75) 130.865,78.635 U9.13@130.865,76.9 ; v1(159.75,78.75) 159.865,78.635 U8.13@159.865,76.9 ; v1(183.25,78.75) 183.365,78.635 U7.13@183.365,76.9 ; v1(195.25,78.75) 195.365,78.635 U6.13@195.365,76.9 ; v1(218,78.75) 218.165,78.585 U5.13@218.165,76.9 ; v1(246.75,78.75) 246.865,78.635 U4.13@246.865,76.9 ; v1(269.75,78.75) 269.865,78.635 U3.13@269.865,76.9 ; v1(281.75,78.75) 281.865,78.635 U2.13@281.865,76.9 ; v1(304.75,78.75) 304.865,78.635 U1.13@304.865,76.8
  Bottom Layer w0.25: v1(319,71.9) 320.2,71.9 324.7,67.4 324.7,56 326.2,54.5 v1(333.9,54.5)
  Bottom Layer w0.35: v1(54.25,78.75) 54.25,79.25 55,80 71.25,80 v1(72.5,78.75) 73.75,80 95.25,80 v1(96.375,78.875) 97.5,80 107.5,80 v1@108.5,79 ; v1(108.5,78.875) v1@108.5,79 ; v1(130.75,78.75) v1@130.75,79 ; v1(318.95,77.55) 316.5,80 306,80 v1(304.75,78.75) 303.5,80 283,80 v1(281.75,78.75) 280.5,80 271,80 v1(269.75,78.75) 268.5,80 248,80 v1(246.75,78.75) 245.5,80 219.25,80 v1(218,78.75) 216.75,80 196.5,80 v1(195.25,78.75) 194,80 184.5,80 v1(183.25,78.75) 182,80 160.75,80 159.75,79 v1(159.75,78.75) 158.5,80 131.5,80 130.75,79.25 v1@130.75,79 ; v1@108.5,79 109.5,80 129.75,80 v1@130.75,79
NetU1_14: U1.14 U2.9 | length 20.7
  Top Layer w0.35: U2.9@286.945,76.9 286.945,75.805 v1(287.25,75.5) ; v1(303.25,75) 303.595,75.345 U1.14@303.595,76.8
  Bottom Layer w0.35: v1(287.25,75.5) 288.5,76.75 301.5,76.75 v1(303.25,75)
NetU2_14: U2.14 U3.9 | length 9.6
  Top Layer w0.35: U3.9@274.945,76.9 274.945,75.055 275.25,74.75 280.25,74.75 280.595,75.095 U2.14@280.595,76.9
NetU3_14: U3.14 U4.9 | length 20.9
  Top Layer w0.35: U4.9@251.945,76.9 251.945,75.805 v1(252.25,75.5) ; v1@268.595,75 U3.14@268.595,76.9
  Bottom Layer w0.35: v1(252.25,75.5) 253.5,76.75 266.75,76.75 v1(268.5,75)
NetU4_14: U4.14 U5.9 | length 25
  Top Layer w0.35: v1(245.25,75) 245.595,75.345 U4.14@245.595,76.9
  Bottom Layer w0.35: v1(223.5,75.5) 224.75,76.75 243.5,76.75 v1(245.25,75)
NetU5_14: U5.14 U6.9 | length 20.6
  Top Layer w0.35: U6.9@200.445,76.9 200.445,75.805 v1(200.75,75.5) ; v1(216.5,75) 216.895,75.395 U5.14@216.895,76.9
  Bottom Layer w0.35: v1(200.75,75.5) 202,76.75 214.75,76.75 v1(216.5,75)
NetU6_14: U6.14 U7.9 | length 10.1
  Top Layer w0.35: U7.9@188.445,76.9 188.445,74.655 194.095,74.655 U6.14@194.095,76.9
NetU7_14: U7.14 U8.9 | length 21.1
  Top Layer w0.35: U8.9@164.945,76.9 165,76.845 v1(165,75.75) ; v1(181.75,75) 182.095,75.345 U7.14@182.095,76.9
  Bottom Layer w0.35: v1(165,75.75) 165.25,75.75 166.25,76.75 180,76.75 v1(181.75,75)
NetU8_14: U8.14 U9.9 | length 26.6
  Top Layer w0.35: U9.9@135.945,76.9 135.945,75.805 v1(136,75.75) ; v1(158.25,75) 158.595,75.345 U8.14@158.595,76.9
  Bottom Layer w0.35: v1(136,75.75) 137,76.75 156.5,76.75 v1(158.25,75)
NetU9_14: U9.14 U10.9 | length 20.9
  Top Layer w0.35: U10.9@113.445,76.9 113.5,76.845 v1(113.5,75.5) ; v1(129.25,75) 129.595,75.345 U9.14@129.595,76.9
  Bottom Layer w0.35: v1(113.5,75.5) 115.25,77.25 127,77.25 v1(129.25,75)
NetU10_14: U10.14 U11.9 | length 9.9
  Top Layer w0.35: U11.9@101.445,76.9 101.445,74.945 101.89,74.5 106.595,74.5 107.095,75 U10.14@107.095,76.9
NetU11_14: U11.14 U12.9 | length 21.7
  Top Layer w0.35: U12.9@77.745,76.9 77.745,75.505 v1(77.75,75.5) ; v1(94.75,75) 95.095,75.345 U11.14@95.095,76.9
  Bottom Layer w0.35: v1(77.75,75.5) 79,76.75 93,76.75 v1(94.75,75)
NetU12_14: U12.14 U13.9 | length 16.7
  Top Layer w0.35: U13.9@59.445,76.9 59.445,75.305 v1(59.5,75.25) ; v1(71,75) 71.395,75.395 U12.14@71.395,76.9
  Bottom Layer w0.35: v1(59.5,75.25) 59.5,75.5 60.75,76.75 69.25,76.75 v1(71,75)
NetU13_14: U13.14 U18.27 | length 326
  Top Layer w0.25: U18.27@334.5,57.3 334.5,59.8 335.5,60.8 337.7,60.8 339.7,62.8 339.7,70.2 343.9,74.4 v1@343.9,77.6
  Top Layer w0.35: U13.14@53.095,76.9 53.095,75.155 v1(53.25,75)
  Bottom Layer w0.25: 332,78.5 342.6,78.5 v1(343.9,77.2)
  Bottom Layer w0.35: v1(53.25,75) 54.5,73.75 60.45,73.75 62.2,75.5 67.75,75.5 69.314,73.936 71.441,73.936 71.505,74 94.245,74 94.309,73.936 113.936,73.936 116.25,76.25 126,76.25 128.564,73.686 252.436,73.686 254.25,75.5 265.75,75.5 267.5,73.75 267.55,73.8 327.3,73.8 332,78.5
NetU16_4: U16.4 U16.5 | length 5.3
  Top Layer w0.35: U16.5@49.48,35.464 49.48,37.48 49.5,37.5 50.75,37.5 U16.4@50.75,35.464
NetVD8_2: VD8.2 VD9.1 | length 6.3
  Top Layer w0.5: VD8.2@229.1,30.25 VD9.1@235.4,30.25
pads on no net: C27.5 C27.6 C27.7 C27.8 C29.5 C29.6 C29.7 C29.8 U1.3 U1.6 U1.9 U1.15 U2.3 U2.6 U2.15 U3.3 U3.6 U3.15 U4.3 U4.6 U4.15 U5.3 U5.6 U5.15 U6.3 U6.6 U6.15 U7.3 U7.6 U7.15 U8.3 U8.6 U8.15 U9.3 U9.6 U9.15 U10.3 U10.6 U10.15 U11.3 U11.6 U11.15 U12.3 U12.6 U12.15 U13.2 U13.4 U13.6 U13.7 U13.15 U17.1 U17.4 U18.2 U18.3 U18.4 U18.13 U18.14 U18.16 U18.17 U18.18 U18.21 U18.22 U18.28 U18.29 U18.32 U18.33 U18.38 U18.39 U18.40 U18.45 U18.46 VL1.2 VL1.3 VL1.4 VL1.5 VL1.6 VL1.7 VL1.9 VL1.11 VL1.12 VL2.1 VL2.8 VL3.1 VL3.8 VL5.1 VL5.8 VL6.1 VL6.8 VL8.1 VL8.8 VL9.1 VL9.8

## Other copper
Bottom Layer:
  rectangle net GND: 87.4,29.4 105.6,41.4
  rectangle net GND: 303.6,28 326.5,44.5

## Silkscreen, mask and mechanical layers (free items; w line width, h text height)
Top Overlay:
  lines w0.254: 133.624,37.988 ccw(c147,39.25) 134.181,35.228 ; 133.662,41.012 cw(c147,39.25) 134.237,43.504 ; 135.146,32.928 ccw(c147,39.25) 159.068,45.155 ; 136.901,48.118 cw(c147,39.25) 154.981,50.063 ; 315.46,40.5 315.46,71.27 316.97,72.78 ; 317,72.75 331.5,72.75 ; 322.5,41 322,41.5 ; 324.25,39.5 327.5,39.5 ; 333.95,66 327.5,66 327,65.5 327,61.75 327.5,61.25 336.5,61.25 337,61.75 337,65.5 ; 334.25,72.75 348.398,72.75 348.48,72.668 348.48,71.02 ; 347,39.5 348.5,39.5 348.5,47.5 ; 322,41.5 322,42.5 ; 322,41.5 322.75,40.75 326,40.75 326.75,41.5 326.75,42.5 326,43.25 322.75,43.25 322,42.5 ; 322,42.5 322,42.5 ; 337.25,42.5 337.25,42.5 ; 337.25,42.5 338,43.25 341.25,43.25 342,42.5 342,41.5 341.25,40.75 338,40.75 337.25,41.5 337.25,42.5 ; 192.8,26.5 192.8,41.5 193.1,41.5 193.2,41.4 193.2,36.2 193.8,35.6 211.7,35.6 212.2,36.1 212.2,41.4 212.3,41.5 212.6,41.5 212.6,26.5 212,25.9 193.4,25.9 192.8,26.5
  text "Tr1" at 146.5,32.5 h1.52
Mechanical 1:
  the board outline again, w0.254